# KiCad board OEM_ECU.kicad_pcb (continued)
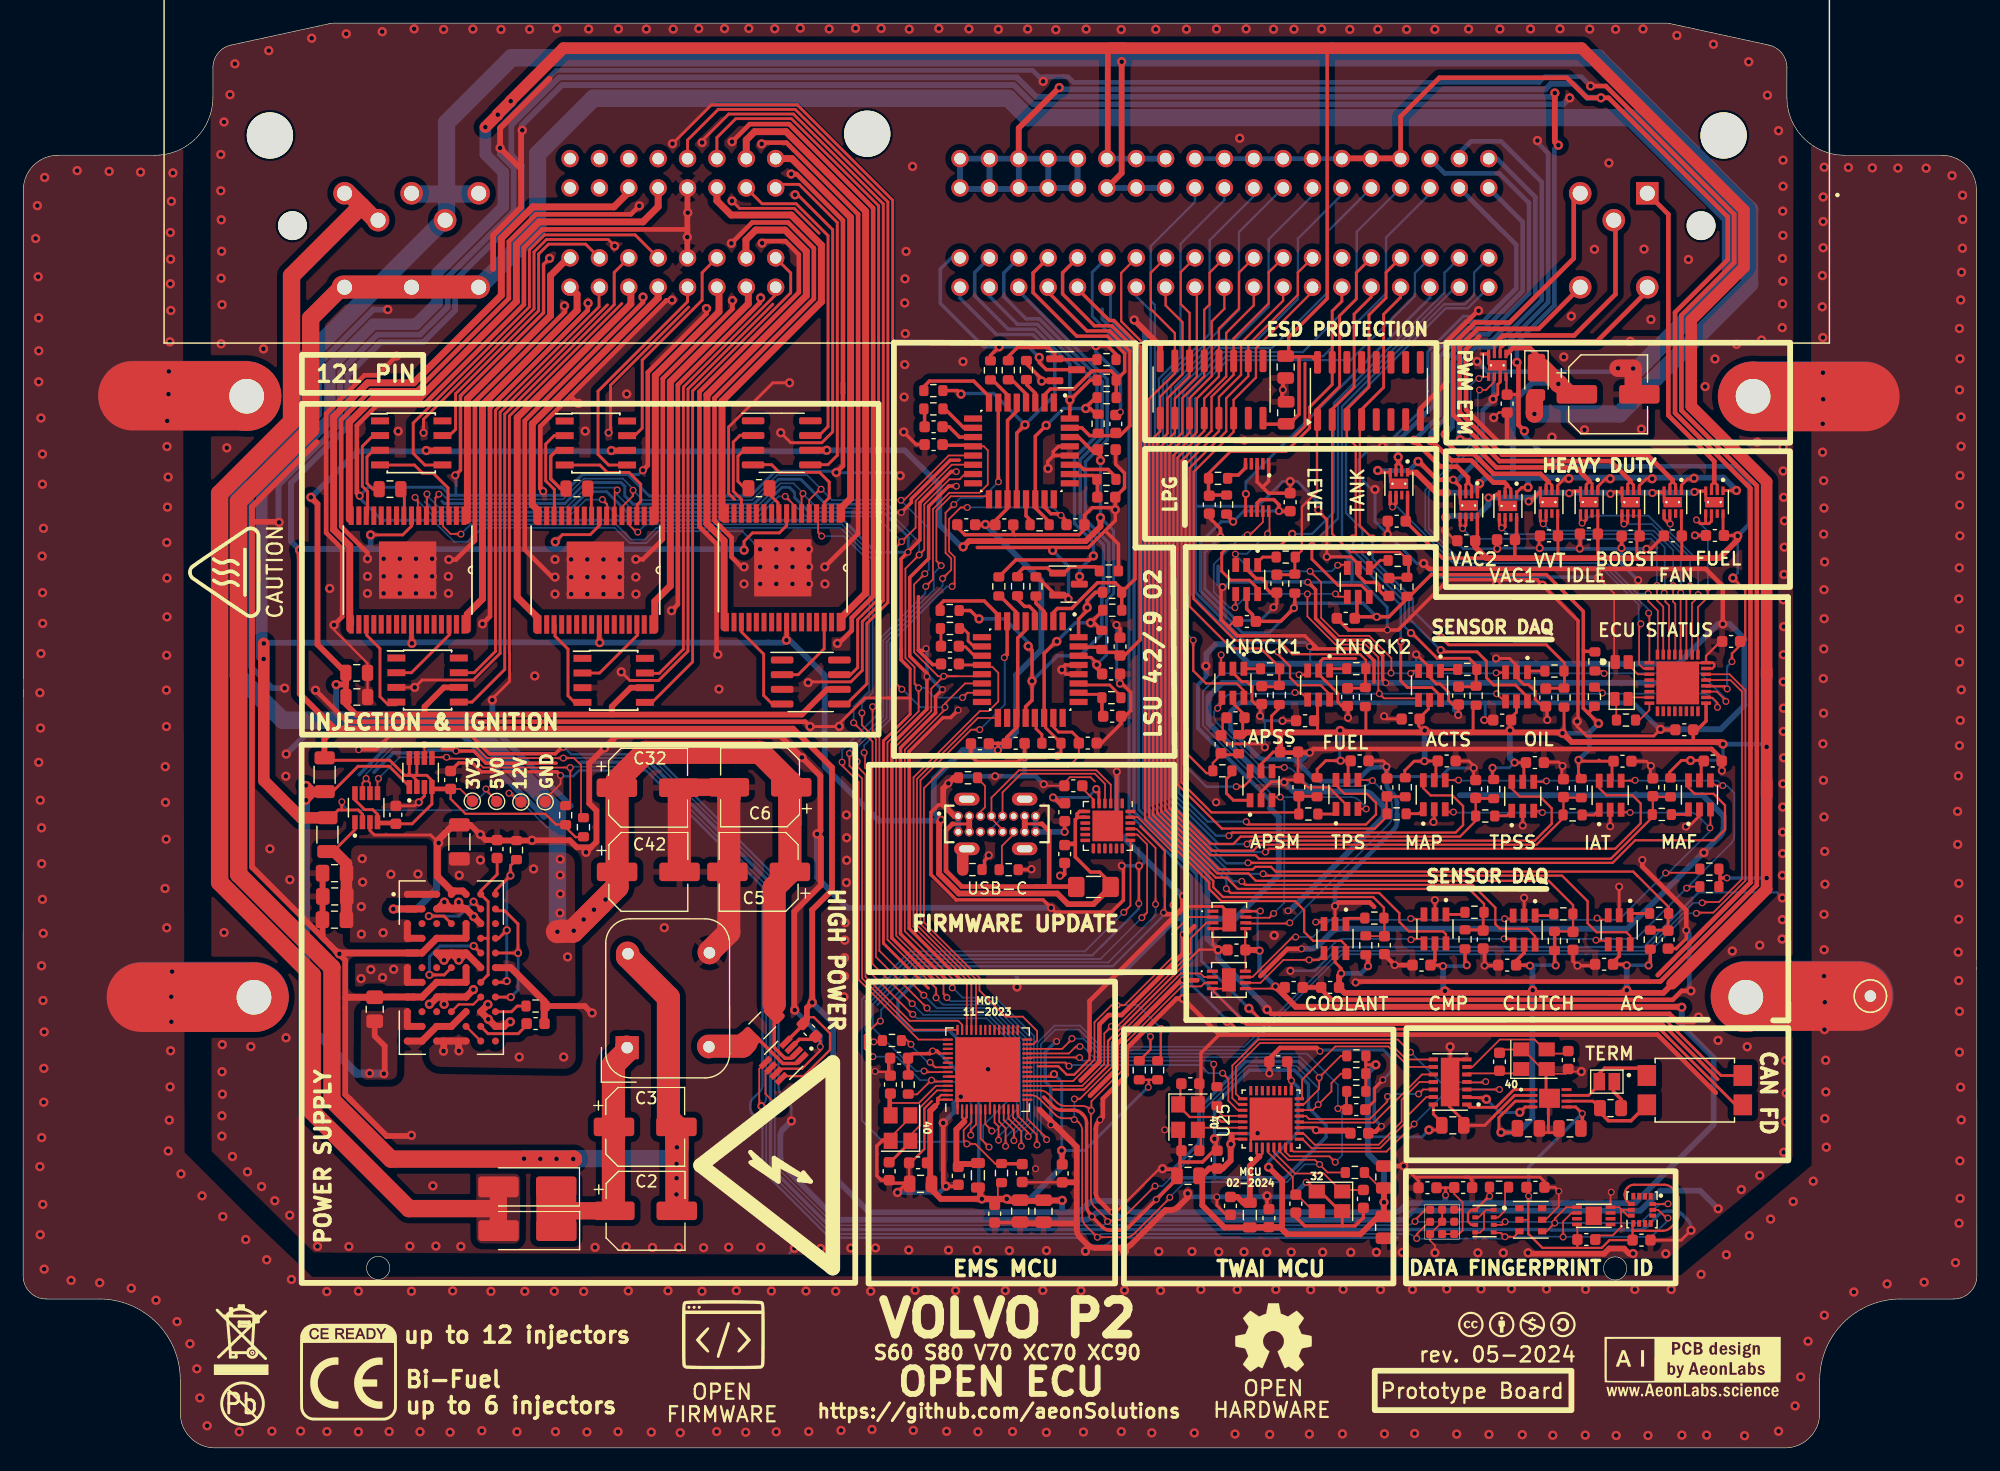
[diagram p0: board, top side]
## Library data of the parts
AC_C1 AC_C2 ACPM_C1 ACPM_C2 ACPM_C4 ACPM_C5 ACPS_C3 ACPS_C4 ACTS_C1 ACTS_C2 AUC1 C3_C1 C3_C2 C3_P32_C2 C3P2_C1 C3P2_C2 C3P7_C1 C3P11_C1 C3P17_C1 C3P32_C1 C3XTAL32_C1-C3XTAL32_C4 C3XTAL40_C1 C3XTAL40_C2 CHC1-CHC3 CJC1-CJC16 CLU_C3 CLU_C4 COOL_C1 COOL_C2 CRA_C3 CRA_C4 ENS_C1-ENS_C4 ETMDRV_C1-ETMDRV_C9 FUEL_C1-FUEL_C4 FUEL_LPG_C1 FUEL_LPG_C2 IAT_C1 IAT_C2 INA1_C1 INA1_C2 INA1_C4 INA1_C5 INA1_C13 KNOCK1_C1 KNOCK1_C2 KNOCK2_C1 KNOCK2_C2 LTM_C1-LTM_C7 MAF_C3 MAF_C4 MAP_C1 MAP_C2 S3_VDD3_C1 S3_VDD3_C3 S3_XTAL40_C1 S3_XTAL40_C2 S3P2_C1 S3P2_C2 S3P4_C1 S3P20_C1 S3P46_C1 S3P55_C1 S3P55_C2 SP_C1 SP_C2 TPS_C3 TPS_C4 TPSS_C3 TPSS_C4 = -: ki_fp_filters: C_*
AC_R1 AC_R2 ACPM_R1 ACPM_R2 ACPS_R3 ACPS_R4 ACTS_R1 ACTS_R2 BMPR1 C3P6_R1 C3P7_R1 C3P14_R1 C3P15_R1 C3P28_R1 CJR1-CJR22 CLU_R3 CLU_R4 COOL_R1 COOL_R2 CRA_R3 CRA_R4 ER1 ER2 ER4 FUEL_LPG_R1 FUEL_LPG_R2 FUEL_R1-FUEL_R4 I2C_SCL_R1-I2C_SCL_R4 I2C_SDA_R1-I2C_SDA_R4 IAT_R1 IAT_R2 KNOCK1_R1 KNOCK1_R2 KNOCK2_R1 KNOCK2_R2 MAF_R3 MAF_R4 MAP_R1 MAP_R2 MPR7 MPR8 RGB_R1 S3P4_R1 S3P49_R1 S3P52_R1 TPS_R3 TPS_R4 TPSS_R3 TPSS_R4 USB_PLUG_R3 USB_PLUG_R4 USB_PLYG_R2 = -: ki_fp_filters: R_*
AC_SENSE1 ACC_PEDAL_M_SENSE1 ACC_PEDAL_S_SENSE2 CLUTCH_SENSE1 COOLANT_SENSE1 CRANK_SENSE1 FUEL_SENSE2 IAT_SENSE1 MAF_SENSE1 MAP_SENSE1 TPS_SENSE1 TPSS_SENSE1 = -: Description: 16-Bit, 128SPS, 1-Ch Delta-Sigma ADC w/ PGA, Oscillator & I2C; Availability: In Stock; Check_prices: https://www.snapeda.com/parts/ADS1100A0IDBVR/Texas+Instruments/view-part/?ref=eda; MF: Texas Instruments; Package: SOT-23-6 Texas Instruments; Price: None; Purchase-URL: https://www.snapeda.com/api/url_track_click_mouser/?unipart_id=39898&manufacturer=Texas Instruments&part_name=ADS1100A0IDBVR&search_term=None; SnapEDA_Link: https://www.snapeda.com/parts/ADS1100A0IDBVR/Texas+Instruments/view-part/?ref=snap
ACTS_SENSE1 FUEL_SENSE1 KNOCK1_SENSE1 KNOCK2_SENSE1 = -: Description: 16-Bit, 128SPS, 1-Ch Delta-Sigma ADC w/ PGA, Oscillator & I2C; MF: Texas Instruments; Package: SOT-23-6 Texas Instruments; Price: None; SnapEDA_Link: https://www.snapeda.com/parts/ADS1100A0IDBVR/Texas+Instruments/view-part/?ref=snap; Purchase-URL: https://www.snapeda.com/api/url_track_click_mouser/?unipart_id=39898&manufacturer=Texas Instruments&part_name=ADS1100A0IDBVR&search_term=None; Availability: In Stock; Check_prices: https://www.snapeda.com/parts/ADS1100A0IDBVR/Texas+Instruments/view-part/?ref=eda
bogus1 = -: ki_fp_filters: Connector*:*_1x??_*
C1 = -: Digikey Part Number: P124821CT-ND; Manufacturer_Name: Panasonic; Manufacturer_Part_Number: EEE-FT1V101AV; URL: https://www.digikey.com.au/product-detail/en/panasonic-electronic-components/EEE-FT1V101AV/P124821CT-ND/10290763; ki_fp_filters: CP_*
C2 C3 C5 C6 C32 C42 = -: Digikey Part Number: PCE3925CT-ND; Manufacturer_Name: Panasonic; Manufacturer_Part_Number: EEE-1HA330XP; URL: https://www.digikey.com.au/product-detail/en/panasonic-electronic-components/EEE-1HA330XP/PCE3925CT-ND/766301; Voltage: 50V; ki_fp_filters: CP_*
C3_P2_L1 HLL1 S3P2_L1 = -: ki_fp_filters: Choke_* *Coil* Inductor_* L_*
C3XTAL32_1 C3XTAL32_2 C3XTAL40_1 S3_XTAL40_1 = -: ki_fp_filters: Crystal*
C4 C7 C8 C16 = -: Digikey Part Number: 311-1140-1-ND; Manufacturer_Name: Yageo; Manufacturer_Part_Number: CC0805KRX7R9BB104; URL: https://www.digikey.com.au/product-detail/en/yageo/CC0805KRX7R9BB104/311-1140-1-ND/303050; ki_fp_filters: C_*
C10 = -: Digikey Part Number: 311-1365-1-ND; Manufacturer_Name: Yageo; Manufacturer_Part_Number: CC0805KKX7R7BB105; URL: https://www.digikey.com/product-detail/en/yageo/CC0805KKX7R7BB105/311-1365-1-ND/2103149; ki_fp_filters: C_*
CJQ1 CJQ2 = -: Datasheet: http://www.aosmd.com/pdfs/datasheet/AO3400A.pdf; ki_fp_filters: SOT?23*
D1 D11 = -: Digikey Part Number: B360A-FDICT-ND; Manufacturer_Name: Diodes Inc; Manufacturer_Part_Number: B360A-13-F; URL: https://www.digikey.com.au/product-detail/en/diodes-incorporated/B360A-13-F/B360A-FDICT-ND/724980; ki_fp_filters: TO-???* *_Diode_* *SingleDiode* D_*
D4 = -: Digikey Part Number: DFLS2100-7DICT-ND; Manufacturer_Name: Diodes Inc.; Manufacturer_Part_Number: DFLS2100-7; URL: https://www.digikey.com/product-detail/en/diodes-incorporated/DFLS2100-7/DFLS2100-7DICT-ND/3451552; ki_fp_filters: TO-???* *_Diode_* *SingleDiode* D_*
FL1 = -: MF: TDK; Description_1: 2 Line Common Mode Choke Surface Mount 200 Ohms @ 100 MHz 2A DCR 120mOhm; Package: Horizontal-4 TDK; Price: None; Check_prices: https://www.snapeda.com/parts/ZJYS51R5-2PT-01/TDK/view-part/?ref=eda; STANDARD: Manufacturer Recommendations; SnapEDA_Link: https://www.snapeda.com/parts/ZJYS51R5-2PT-01/TDK/view-part/?ref=snap; MP: ZJYS51R5-2PT-01; Availability: In Stock; MANUFACTURER: TDK CORPORATION
IMU2 = -: Datasheet: www.st.com/resource/en/datasheet/lsm6ds3.pdf; ki_fp_filters: LGA*3x2.5mm*P0.5mm*LayoutBorder3x4y*
INA1 INA4 INA5 = -: Description: 26V, 12-bit, i2c output current/voltage/power monitor; Availability: In Stock; Check_prices: https://www.snapeda.com/parts/INA219AIDCNR/Texas+Instruments/view-part/?ref=eda; MF: Texas Instruments; Package: SOT-23-8 Texas Instruments; Price: None; Purchase-URL: https://www.snapeda.com/api/url_track_click_mouser/?unipart_id=271718&manufacturer=Texas Instruments&part_name=INA219AIDCNR&search_term=None; SnapEDA_Link: https://www.snapeda.com/parts/INA219AIDCNR/Texas+Instruments/view-part/?ref=snap
J3 = -: Description: USB 2.0 Connector Type C Vertical Receptacle, 6.50mm profile, 16 Pins, Surface mount, Top mount, low profile, low cost; Availability: In Stock; Check_prices: https://www.snapeda.com/parts/USB4120-03-C/Global+Connector+Technology/view-part/?ref=eda; MANUFACTURER: GCT; MAXIMUM_PACKAGE_HEIGHT: 6.5mm; MF: Global Connector Technology; MP: USB4120-03-C; PARTREV: A; Package: None; Price: None; STANDARD: Manufacturer Recommendations; SnapEDA_Link: https://www.snapeda.com/parts/USB4120-03-C/Global+Connector+Technology/view-part/?ref=snap
JP4 = -: ki_fp_filters: SolderJumper*Open* Jumper* TestPoint*2Pads* TestPoint*Bridge*
KTS1 = -: Description: ARM Microcontrollers - MCU CORTEX M0+32K FLASH; MANUFACTURER_PART_NUMBER: MKL02Z32VFM4; RS_PRICE-STOCK: http://uk.rs-online.com/web/p/products/7884732; RS_PART_NUMBER: 7884732; MOUSER_PART_NUMBER: 841-MKL02Z32VFM4; MOUSER_PRICE-STOCK: https://www.mouser.com/Search/Refine.aspx?Keyword=841-MKL02Z32VFM4; HEIGHT: 1mm
LED2 = -: ki_fp_filters: LED* LED_SMD:* LED_THT:*
PWR_FUSE1 = -: ki_fp_filters: *polyfuse* *PTC*
R1 R5 R6 = -: Digikey Part Number: 311-10KARCT-ND; Manufacturer_Name: Yageo; Manufacturer_Part_Number: RC0805JR-0710KL; URL: https://www.digikey.com/product-detail/en/yageo/RC0805JR-0710KL/311-10KARCT-ND/731188; ki_fp_filters: R_*
R2 = -: Manufacturer_Name: Yageo; Manufacturer_Part_Number: RC0805FR-07120RL; URL: https://www.digikey.com/products/en?keywords=311-120CRCT-ND; Digikey Part Number: 311-120CRCT-ND; ki_fp_filters: R_*
SP1 SP2 = -: Datasheet: https://m.littelfuse.com/~/media/electronics/datasheets/tvs_diode_arrays/littelfuse_tvs_diode_array_sp720_datasheet.pdf.pdf; Digikey Part Number: F3162CT-ND; Manufacturer_Name: Littelfuse; Manufacturer_Part_Number: SP720ABTG; URL: https://www.digikey.com/product-detail/en/littelfuse-inc/SP720ABTG/F3162CT-ND/1984458; ki_fp_filters: DIP*W7.62mm* SOIC*3.9x9.9mm*P1.27mm* SSOP*4.4x5.2mm*P0.65mm* TSSOP*4.4x5mm*P0.65mm* SOIC*W*5.3x10.2mm*P1.27mm*
TP1-TP4 = -: ki_fp_filters: Pin* Test*
U1 = -: MF: Microchip; Description_1: CANbus Controller CAN 2.0 SPI Interface 14-VDFN (4.5x3); Package: VDFN-14 Microchip Technology; Price: None; Check_prices: https://www.snapeda.com/parts/MCP2517FD-H/JHA/Microchip/view-part/?ref=eda; SnapEDA_Link: https://www.snapeda.com/parts/MCP2517FD-H/JHA/Microchip/view-part/?ref=snap; MP: MCP2517FD-H/JHA; Availability: In Stock; Manufacturer: Microchip
U2 = -: Description: ADS1115 - 16 Bit 3.3k Samples per Second Analog to Digital Converter (ADC) Evaluation Board; MF: Texas Instruments; Package: VSSOP-10 Texas Instruments; Price: None; SnapEDA_Link: https://www.snapeda.com/parts/ADS1115/Texas+Instruments/view-part/?ref=snap; Availability: Not in stock; Check_prices: https://www.snapeda.com/parts/ADS1115/Texas+Instruments/view-part/?ref=eda
U3 U4 U7 U8 U17 U22 = -: Digikey Part Number: TC4424AVOA-ND; Manufacturer_Name: Microchip; Manufacturer_Part_Number: TC4424AVOA; URL: https://www.digikey.com/product-detail/en/microchip-technology/TC4424AVOA/TC4424AVOA-ND/1098908
U5 U6 U18 = -: Manufacturer_Name: NXP; Manufacturer_Part_Number: MCZ33810EK; URL: https://au.mouser.com/ProductDetail/NXP-Semiconductors/MCZ33810EK?qs=sGAEpiMZZMvKM5ialpXrmvfCXFdxx390
U9 = -: Description: Pressure Sensor 4.35PSI ~ 15.95PSI (30kPa ~ 110kPa) Absolute - 16b 8-SMD; Availability: In Stock; Check_prices: https://www.snapeda.com/parts/BMP280/Bosch+Sensortec/view-part/?ref=eda; MANUFACTURER: Bosch; MF: Bosch; PART_REV: 1.19; Package: SMD-8 Bosch Sensortec; Price: None; Purchase-URL: https://pricing.snapeda.com/search?q=BMP280&ref=eda; STANDARD: MANUFACTURER RECOMMENDATIONS; SnapEDA_Link: https://www.snapeda.com/parts/BMP280/Bosch+Sensortec/view-part/?ref=snap
U10 U11 = -: ki_fp_filters: DRG8_2X1P2
U12 U28 = -: Description: LAMBDA PROBE INTERFACE IC; Availability: Not in stock; Check_prices: https://www.snapeda.com/parts/CJ125/Bosch/view-part/?ref=eda; MF: Bosch; MP: CJ125; Package: None; Price: None; SnapEDA_Link: https://www.snapeda.com/parts/CJ125/Bosch/view-part/?ref=snap
U13 U14 U19 U20 U26 U27 = -: Description: 12-V, 1.8-A H-bridge motor driver; Availability: In Stock; Check_prices: https://www.snapeda.com/parts/DRV8837DSGR/Texas+Instruments/view-part/?ref=eda; MF: Texas Instruments; MP: DRV8837DSGR; Package: WSON-8 Texas Instruments; Price: None; Purchase-URL: https://www.snapeda.com/api/url_track_click_mouser/?unipart_id=230051&manufacturer=Texas Instruments&part_name=DRV8837DSGR&search_term=None; SnapEDA_Link: https://www.snapeda.com/parts/DRV8837DSGR/Texas+Instruments/view-part/?ref=snap
U16 = -: MANUFACTURER: Microchip; PART_REV: A; STANDARD: Manufacturer recommendation
U21 = -: MANUFACTURER: Asair; MAXIMUM_PACKAGE_HEIGHT: 1.1mm; PARTREV: V1.0; STANDARD: IPC 7351B
U23 U30 U32 = -: Description: 12-V, 1.8-A H-bridge motor driver; MF: Texas Instruments; Package: WSON-8 Texas Instruments; Price: None; SnapEDA_Link: https://www.snapeda.com/parts/DRV8837DSGR/Texas+Instruments/view-part/?ref=snap; MP: DRV8837DSGR; Purchase-URL: https://www.snapeda.com/api/url_track_click_mouser/?unipart_id=230051&manufacturer=Texas Instruments&part_name=DRV8837DSGR&search_term=None; Availability: In Stock; Check_prices: https://www.snapeda.com/parts/DRV8837DSGR/Texas+Instruments/view-part/?ref=eda
U24 = -: MF: Analog Devices; MAXIMUM_PACKAGE_HEIGHT: 5.21 mm; Package: BBGA-77 Analog Devices; Price: None; Check_prices: https://www.snapeda.com/parts/LTM4644EY%23PBF/Analog+Devices/view-part/?ref=eda; STANDARD: IPC 7351B; PARTREV: G; SnapEDA_Link: https://www.snapeda.com/parts/LTM4644EY%23PBF/Analog+Devices/view-part/?ref=snap; MP: LTM4644EY#PBF; Description_1: Non-Isolated PoL Module DC DC Converter 4 Output 0.6 ~ 5.5V 0.6 ~ 5.5V 0.6 ~ 5.5V 0.6 ~ 5.5V 4A, 4A, 4A, 4A 4V - 14V Input; Availability: Not in stock; MANUFACTURER: Analog Devices
U25 = -: Description: WiFi Modules (802.11) (Engineering Samples Only) SMD IC ESP32-C3, RISC-V single-core MCU, 2.4G Wi-Fi & BLE 5.0 combo, QFN 32-pin, 5*5 mm, 40 ~ 105C; Availability: In Stock; Check_prices: https://www.snapeda.com/parts/ESP32-C3/Espressif+Systems/view-part/?ref=eda; MF: Espressif Systems; MP: ESP32-C3; Package: VFQFN-32 Espressif Systems; Price: None; Purchase-URL: https://www.snapeda.com/api/url_track_click_mouser/?unipart_id=5833677&manufacturer=Espressif Systems&part_name=ESP32-C3&search_term=None; SnapEDA_Link: https://www.snapeda.com/parts/ESP32-C3/Espressif+Systems/view-part/?ref=snap; Description_1: WiFi Modules (802.11) (Engineering Samples Only) SMD IC ESP32-C3, RISC-V single-core MCU, 2.4G Wi-Fi & BLE 5.0 combo, QFN 32-pin, 5*5 mm, 40 ~ 105C
U31 = -: ki_fp_filters: TDFN8_MNY_MCH TDFN8_MNY_MCH-M TDFN8_MNY_MCH-L

## Footprints (pads in the part's own frame, mm; a bottom-side part is the same pattern mirrored in y, then rotated)
121 pin ECU connector header
  round 4 hole 4 unplated: (-62.85,0) (11.2,-0.15) (62.85,0)
  round 2.5 hole 2.5 unplated: (-60.9,7.8) (60.9,7.8)
  rect 1.95x1.95 hole 1.3: 1(-56.25,5)
  round 1.95 hole 1.3: 2(-50.45,5) 3(-53.35,7.33) 4(-56.25,13.13) 5(-50.45,13.13) 114(44.8,5) 115(50.6,5) 116(56.4,5) 117(47.7,7.33) 118(53.5,7.33) 119(44.8,13.13) 120(50.6,13.13) 121(56.4,13.13)
  round 1.508 hole 1: 6(3.18,13.13) 7(0.64,13.13) 8(-1.9,13.13) 9(-4.44,13.13) 10(-6.98,13.13) 11(-9.52,13.13) 12(-12.06,13.13) 13(-14.6,13.13) 14(-17.14,13.13) 15(-19.68,13.13) 16(-22.22,13.13) 17(-24.76,13.13) 18(-27.3,13.13) 19(-29.84,13.13) 20(-32.38,13.13) 21(-34.92,13.13) 22(-37.46,13.13) 23(-40,13.13) 24(-42.54,13.13) 25(3.18,10.59) 26(0.64,10.59) 27(-1.9,10.59) 28(-4.44,10.59) 29(-6.98,10.59) 30(-9.52,10.59) 31(-12.06,10.59) 32(-14.6,10.59) 33(-17.14,10.59) 34(-19.68,10.59) 35(-22.22,10.59) 36(-24.76,10.59) 37(-27.3,10.59) 38(-29.84,10.59) 39(-32.38,10.59) 40(-34.92,10.59) 41(-37.46,10.59) 42(-40,10.59) 43(-42.54,10.59) 44(3.18,4.54) 45(0.64,4.54) 46(-1.9,4.54) 47(-4.44,4.54) 48(-6.98,4.54) 49(-9.52,4.54) 50(-12.06,4.54) 51(-14.6,4.54) 52(-17.14,4.54) 53(-19.68,4.54) 54(-22.22,4.54) 55(-24.76,4.54) 56(-27.3,4.54) 57(-29.84,4.54) 58(-32.38,4.54) 59(-34.92,4.54) 60(-37.46,4.54) 61(-40,4.54) 62(-42.54,4.54) 63(3.18,2) 64(0.64,2) 65(-1.9,2) 66(-4.44,2) 67(-6.98,2) 68(-9.52,2) 69(-12.06,2) 70(-14.6,2) 71(-17.14,2) 72(-19.68,2) 73(-22.22,2) 74(-24.76,2) 75(-27.3,2) 76(-29.84,2) 77(-32.38,2) 78(-34.92,2) 79(-37.46,2) 80(-40,2) 81(-42.54,2) 82(19.12,2) 83(21.66,2) 84(24.2,2) 85(26.74,2) 86(29.28,2) 87(31.82,2) 88(34.36,2) 89(36.9,2) 90(19.12,4.54) 91(21.66,4.54) 92(24.2,4.54) 93(26.74,4.54) 94(29.28,4.54) 95(31.82,4.54) 96(34.36,4.54) 97(36.9,4.54) 98(19.12,10.59) 99(21.66,10.59) 100(24.2,10.59) 101(26.74,10.59) 102(29.28,10.59) 103(31.82,10.59) 104(34.36,10.59) 105(36.9,10.59) 106(19.12,13.13) 107(21.66,13.13) 108(24.2,13.13) 109(26.74,13.13) 110(29.28,13.13) 111(31.82,13.13) 112(34.36,13.13) 113(36.9,13.13)
ADS1100 16-bit ADC SOT95P280X145-6N
  rrect 1.21x0.58 smd: 1(-1.255,0.95) 2(-1.255,0) 3(-1.255,-0.95) 4(1.255,-0.95) 5(1.255,0) 6(1.255,0.95)
AHT20 PSON100P300X300X110-6N
  rrect 0.71x0.53 smd: 1(-0.985,1) 2(-0.985,0) 3(-0.985,-1) 4(0.985,-1) 5(0.985,0) 6(0.985,1)
ASD1155
  rect 0.3x1 smd: 1(-1,-2.05) 2(-0.5,-2.05) 3(0,-2.05) 4(0.5,-2.05) 5(1,-2.05) 6(1,2.05) 7(0.5,2.05) 8(0,2.05) 9(-0.5,2.05) 10(-1,2.05)
ATSHA204A-MAHDA-T UDFN-8
  rect 0.85x0.3 smd: 1(-1.45,0.75) 2(-1.45,0.25) 3(-1.45,-0.25) 4(-1.45,-0.75) 5(1.45,-0.75) 6(1.45,-0.25) 7(1.45,0.25) 8(1.45,0.75)
  rect 1.4x1.6 smd: 9(0,0)
C_0603_1608Metric
  rrect 0.9x0.95 smd: 1(-0.775,0) 2(0.775,0)
C_0805_2012Metric
  rrect 0.975x1.4 smd: 1(-0.938,0) 2(0.938,0)
C_0805_2012Metric#2
  rrect 1x1.45 smd: 1(-0.95,0) 2(0.95,0)
C_0805_2012Metric_Pad1.18x1.45mm_HandSolder
  rrect 1.175x1.45 smd: 1(-1.038,0) 2(1.038,0)
C_1206_3216Metric
  rrect 1.15x1.8 smd: 1(-1.475,0) 2(1.475,0)
CH9102F
  rrect 1.07x1.07 smd: (-0.66,0.66) (-0.66,-0.66) (0.66,0.66) (0.66,-0.66)
  rect 2.65x2.65 smd: 0(0,0)
  rrect 0.85x0.3 smd: 1(-1.95,1.25) 2(-1.95,0.75) 3(-1.95,0.25) 4(-1.95,-0.25) 5(-1.95,-0.75) 6(-1.95,-1.25) 13(1.95,-1.25) 14(1.95,-0.75) 15(1.95,-0.25) 16(1.95,0.25) 17(1.95,0.75) 18(1.95,1.25)
  rrect 0.3x0.85 smd: 7(-1.25,-1.95) 8(-0.75,-1.95) 9(-0.25,-1.95) 10(0.25,-1.95) 11(0.75,-1.95) 12(1.25,-1.95) 19(1.25,1.95) 20(0.75,1.95) 21(0.25,1.95) 22(-0.25,1.95) 23(-0.75,1.95) 24(-1.25,1.95)
CJ125 QFN32
  rrect 1.56x0.54 smd: 1(-4.18,2.8) 2(-4.18,2) 3(-4.18,1.2) 4(-4.18,0.4) 5(-4.18,-0.4) 6(-4.18,-1.2) 7(-4.18,-2) 8(-4.18,-2.8) 17(4.18,-2.8) 18(4.18,-2) 19(4.18,-1.2) 20(4.18,-0.4) 21(4.18,0.4) 22(4.18,1.2) 23(4.18,2) 24(4.18,2.8)
  rrect 0.54x1.56 smd: 9(-2.8,-4.18) 10(-2,-4.18) 11(-1.2,-4.18) 12(-0.4,-4.18) 13(0.4,-4.18) 14(1.2,-4.18) 15(2,-4.18) 16(2.8,-4.18) 25(2.8,4.18) 26(2,4.18) 27(1.2,4.18) 28(0.4,4.18) 29(-0.4,4.18) 30(-1.2,4.18) 31(-2,4.18) 32(-2.8,4.18)
Common Mode Inductor SQ1010 8x5mm
  rect 2x2 hole 1: 1(-3.81,2.678)
  round 2 hole 1: 2(-3.737,-4.39) 3(4.318,2.607) 4(4.396,-4.44)
CP_Elec_6.3x7.7
  rrect 3.5x1.6 smd: 1(-2.7,0) 2(2.7,0)
Crystal_SMD_3225-4Pin_3.2x2.5mm
  rect 1.4x1.2 smd: 1(-1.1,-0.85) 2(1.1,-0.85) 3(1.1,0.85) 4(-1.1,0.85)
D_PowerDI-123
  rrect 2.4x1.5 smd: 1(-0.85,0)
  rrect 1.05x1.5 smd: 2(1.525,0)
D_SMA_Handsoldering
  rrect 3.5x1.8 smd: 1(-2.5,0) 2(2.5,0)
DRV8220DSGR H Bridge Driver 2A 12V
  rrect 0.74x0.28 smd: 1(-0.985,0.75) 2(-0.985,0.25) 3(-0.985,-0.25) 4(-0.985,-0.75) 5(0.985,-0.75) 6(0.985,-0.25) 7(0.985,0.25) 8(0.985,0.75)
  rect 0.9x1.6 smd: 9(0,0)
  round 0.4 hole 0.2: 9_1(0,0.55) 9_2(0,-0.55)
ENS160 Gas Semsor
  rrect 0.7x0.7 smd: 1(-1.01,1.06) 2(-1.01,0.01) 3(-1.01,-1.05) 4(0.03,-1.04) 5(1.08,-1.04) 6(1.08,0.02) 7(1.08,1.07) 8(0.03,1.07) 9(0.03,0.02)
ESP32 C3
  rrect 0.81x0.27 smd: 1(-2.45,1.75) 2(-2.45,1.25) 3(-2.45,0.75) 4(-2.45,0.25) 5(-2.45,-0.25) 6(-2.45,-0.75) 7(-2.45,-1.25) 8(-2.45,-1.75) 17(2.45,-1.75) 18(2.45,-1.25) 19(2.45,-0.75) 20(2.45,-0.25) 21(2.45,0.25) 22(2.45,0.75) 23(2.45,1.25) 24(2.45,1.75)
  rrect 0.27x0.81 smd: 9(-1.75,-2.45) 10(-1.25,-2.45) 11(-0.75,-2.45) 12(-0.25,-2.45) 13(0.25,-2.45) 14(0.75,-2.45) 15(1.25,-2.45) 16(1.75,-2.45) 25(1.75,2.45) 26(1.25,2.45) 27(0.75,2.45) 28(0.25,2.45) 29(-0.25,2.45) 30(-0.75,2.45) 31(-1.25,2.45) 32(-1.75,2.45)
  rect 3.7x3.7 smd: 33(0,0)
Fuse_1206_3216Metric_Pad1.42x1.75mm_HandSolder
  rrect 1.425x1.75 smd: 1(-1.488,0) 2(1.488,0)
INA219AIDCNR SOT65P280X145-8N
  rrect 1.21x0.48 smd: 1(-1.255,0.975) 2(-1.255,0.325) 3(-1.255,-0.325) 4(-1.255,-0.975) 5(1.255,-0.975) 6(1.255,-0.325) 7(1.255,0.325) 8(1.255,0.975)
KTS1620 24bit IO Expander QFN32 5x5mm.lib
  rect 0.85x0.3 smd: 1(-2.45,1.75) 2(-2.45,1.25) 3(-2.45,0.75) 4(-2.45,0.25) 5(-2.45,-0.25) 6(-2.45,-0.75) 7(-2.45,-1.25) 8(-2.45,-1.75) 17(2.45,-1.75) 18(2.45,-1.25) 19(2.45,-0.75) 20(2.45,-0.25) 21(2.45,0.25) 22(2.45,0.75) 23(2.45,1.25) 24(2.45,1.75)
  rect 0.3x0.85 smd: 9(-1.75,-2.45) 10(-1.25,-2.45) 11(-0.75,-2.45) 12(-0.25,-2.45) 13(0.25,-2.45) 14(0.75,-2.45) 15(1.25,-2.45) 16(1.75,-2.45) 25(1.75,2.45) 26(1.25,2.45) 27(0.75,2.45) 28(0.25,2.45) 29(-0.25,2.45) 30(-0.75,2.45) 31(-1.25,2.45) 32(-1.75,2.45)
  rect 3.7x3.7 smd: 33(0,0)
L_0805_2012Metric
  rrect 0.875x1.2 smd: 1(-1.062,0) 2(1.062,0)
LED_1206_3210_RGB_Metric
  rrect 1.2x0.8 smd: 1(-1.36,-0.51) 2(1.82,-0.52) 3(-1.36,0.63) 4(1.83,0.6)
LSM6DS3 Motion Sensor PQFN50P300X250X86-14N
  rect 0.58x0.35 smd: 1(-1.175,0.75) 2(-1.175,0.25) 3(-1.175,-0.25) 4(-1.175,-0.75) 8(1.175,-0.75) 9(1.175,-0.25) 10(1.175,0.25) 11(1.175,0.75)
  rect 0.35x0.58 smd: 5(-0.5,-0.925) 6(0,-0.925) 7(0.5,-0.925) 12(0.5,0.925) 13(0,0.925) 14(-0.5,0.925)
LTM4644EY
  round 0.61 smd: A1(-3.81,6.35) A2(-2.54,6.35) A3(-1.27,6.35) A4(0,6.35) A5(1.27,6.35) A6(2.54,6.35) A7(3.81,6.35) B1(-3.81,5.08) B2(-2.54,5.08) B3(-1.27,5.08) B4(0,5.08) B5(1.27,5.08) B6(2.54,5.08) B7(3.81,5.08) C1(-3.81,3.81) C2(-2.54,3.81) C3(-1.27,3.81) C4(0,3.81) C5(1.27,3.81) C6(2.54,3.81) C7(3.81,3.81) D1(-3.81,2.54) D2(-2.54,2.54) D3(-1.27,2.54) D4(0,2.54) D5(1.27,2.54) D6(2.54,2.54) D7(3.81,2.54) E1(-3.81,1.27) E2(-2.54,1.27) E3(-1.27,1.27) E4(0,1.27) E5(1.27,1.27) E6(2.54,1.27) E7(3.81,1.27) F1(-3.81,0) F2(-2.54,0) F3(-1.27,0) F4(0,0) F5(1.27,0) F6(2.54,0) F7(3.81,0) G1(-3.81,-1.27) G2(-2.54,-1.27) G3(-1.27,-1.27) G4(0,-1.27) G5(1.27,-1.27) G6(2.54,-1.27) G7(3.81,-1.27) H1(-3.81,-2.54) H2(-2.54,-2.54) H3(-1.27,-2.54) H4(0,-2.54) H5(1.27,-2.54) H6(2.54,-2.54) H7(3.81,-2.54) J1(-3.81,-3.81) J2(-2.54,-3.81) J3(-1.27,-3.81) J4(0,-3.81) J5(1.27,-3.81) J6(2.54,-3.81) J7(3.81,-3.81) K1(-3.81,-5.08) K2(-2.54,-5.08) K3(-1.27,-5.08) K4(0,-5.08) K5(1.27,-5.08) K6(2.54,-5.08) K7(3.81,-5.08) L1(-3.81,-6.35) L2(-2.54,-6.35) L3(-1.27,-6.35) L4(0,-6.35) L5(1.27,-6.35) L6(2.54,-6.35) L7(3.81,-6.35)
mc33810 SOIC32-P0.65-33N
  rect 1.6x0.432 smd: 1(-4.699,4.877) 2(-4.699,4.216) 3(-4.699,3.581) 4(-4.699,2.921) 5(-4.699,2.286) 6(-4.699,1.626) 7(-4.699,0.965) 8(-4.699,0.33) 9(-4.699,-0.33) 10(-4.699,-0.965) 11(-4.699,-1.626) 12(-4.699,-2.286) 13(-4.699,-2.921) 14(-4.699,-3.581) 15(-4.699,-4.216) 16(-4.699,-4.877) 17(4.699,-4.877) 18(4.699,-4.216) 19(4.699,-3.581) 20(4.699,-2.921) 21(4.699,-2.286) 22(4.699,-1.626) 23(4.699,-0.965) 24(4.699,-0.33) 25(4.699,0.33) 26(4.699,0.965) 27(4.699,1.626) 28(4.699,2.286) 29(4.699,2.921) 30(4.699,3.581) 31(4.699,4.216) 32(4.699,4.877)
  rect 4.953x4.953 smd: 33(0,0)
MCP2517FD CAN Controller
  rrect 0.81x0.34 smd: 1(-1.45,1.95) 2(-1.45,1.3) 3(-1.45,0.65) 4(-1.45,0) 5(-1.45,-0.65) 6(-1.45,-1.3) 7(-1.45,-1.95) 8(1.45,-1.95) 9(1.45,-1.3) 10(1.45,-0.65) 11(1.45,0) 12(1.45,0.65) 13(1.45,1.3) 14(1.45,1.95)
  rect 1.6x4.2 smd: 15(0,0)
MCP2558FD CAN Transceiver
  rect 0.864x0.254 smd: 1(-1.473,0.75) 2(-1.473,0.25) 3(-1.473,-0.25) 4(-1.473,-0.75) 5(1.473,-0.75) 6(1.473,-0.25) 7(1.473,0.25) 8(1.473,0.75)
  rect 1.803x1.651 smd: 9(0,0)
OEM_ECU_housing
  round 6 hole 3: 1(-63.64,26.16) 1(-63.01,-25.83) 1(65.99,-25.83) 1(66.62,26.16)
PCA9515ADRGR
  rect 0.95x0.28 smd: 1(-1.425,0.75) 2(-1.425,0.25) 3(-1.425,-0.25) 4(-1.425,-0.75) 5(1.425,-0.75) 6(1.425,-0.25) 7(1.425,0.25) 8(1.425,0.75)
  rect 1.2x2 smd: 9(0,0)
QFN-56-1EP_7x7mm_P0.4mm_EP5.6x5.6mm
  rrect 1.13x1.13 smd: (-2.1,2.1) (-2.1,0.7) (-2.1,-0.7) (-2.1,-2.1) (-0.7,2.1) (-0.7,0.7) (-0.7,-0.7) (-0.7,-2.1) (0.7,2.1) (0.7,0.7) (0.7,-0.7) (0.7,-2.1) (2.1,2.1) (2.1,0.7) (2.1,-0.7) (2.1,-2.1)
  rrect 0.875x0.2 smd: 1(-3.438,2.6) 2(-3.438,2.2) 3(-3.438,1.8) 4(-3.438,1.4) 5(-3.438,1) 6(-3.438,0.6) 7(-3.438,0.2) 8(-3.438,-0.2) 9(-3.438,-0.6) 10(-3.438,-1) 11(-3.438,-1.4) 12(-3.438,-1.8) 13(-3.438,-2.2) 14(-3.438,-2.6) 29(3.438,-2.6) 30(3.438,-2.2) 31(3.438,-1.8) 32(3.438,-1.4) 33(3.438,-1) 34(3.438,-0.6) 35(3.438,-0.2) 36(3.438,0.2) 37(3.438,0.6) 38(3.438,1) 39(3.438,1.4) 40(3.438,1.8) 41(3.438,2.2) 42(3.438,2.6)
  rrect 0.2x0.875 smd: 15(-2.6,-3.438) 16(-2.2,-3.438) 17(-1.8,-3.438) 18(-1.4,-3.438) 19(-1,-3.438) 20(-0.6,-3.438) 21(-0.2,-3.438) 22(0.2,-3.438) 23(0.6,-3.438) 24(1,-3.438) 25(1.4,-3.438) 26(1.8,-3.438) 27(2.2,-3.438) 28(2.6,-3.438) 43(2.6,3.438) 44(2.2,3.438) 45(1.8,3.438) 46(1.4,3.438) 47(1,3.438) 48(0.6,3.438) 49(0.2,3.438) 50(-0.2,3.438) 51(-0.6,3.438) 52(-1,3.438) 53(-1.4,3.438) 54(-1.8,3.438) 55(-2.2,3.438) 56(-2.6,3.438)
  rect 5.6x5.6 smd: 57(0,0)
R_0603_1608Metric
  rrect 0.8x0.95 smd: 1(-0.825,0) 2(0.825,0)
R_0805_2012Metric
  rrect 0.975x1.4 smd: 1(-0.938,0) 2(0.938,0)
R_0805_2012Metric#2
  rrect 1.025x1.4 smd: 1(-0.912,0) 2(0.912,0)
R_1206_3216Metric
  rrect 1.125x1.75 smd: 1(-1.462,0) 2(1.462,0)
SOIC-8_3.9x4.9mm_P1.27mm
  rect 1.55x0.6 smd: 1(-2.7,1.905) 2(-2.7,0.635) 3(-2.7,-0.635) 4(-2.7,-1.905) 5(2.7,-1.905) 6(2.7,-0.635) 7(2.7,0.635) 8(2.7,1.905)
SOIC-8_3.9x4.9mm_P1.27mm#2
  rrect 1.95x0.6 smd: 1(-2.475,1.905) 2(-2.475,0.635) 3(-2.475,-0.635) 4(-2.475,-1.905) 5(2.475,-1.905) 6(2.475,-0.635) 7(2.475,0.635) 8(2.475,1.905)
SOIC-16_3.9x9.9mm_P1.27mm
  rrect 1.95x0.6 smd: 1(-2.475,4.445) 2(-2.475,3.175) 3(-2.475,1.905) 4(-2.475,0.635) 5(-2.475,-0.635) 6(-2.475,-1.905) 7(-2.475,-3.175) 8(-2.475,-4.445) 9(2.475,-4.445) 10(2.475,-3.175) 11(2.475,-1.905) 12(2.475,-0.635) 13(2.475,0.635) 14(2.475,1.905) 15(2.475,3.175) 16(2.475,4.445)
SolderJumper-2_P1.3mm_Open_Pad1.0x1.5mm
  rect 1x1.5 smd: 1(-0.65,0) 2(0.65,0)
SOT-23
  rrect 1.475x0.6 smd: 1(-0.938,0.95) 2(-0.938,-0.95) 3(0.938,0)
TDK ZJYS  CANBUS
  rect 1.6x1.8 smd: 1(-4.15,1.27) 2(-4.15,-1.27) 3(4.15,-1.27) 4(4.15,1.27)
TestPoint_Keystone_5000-5004_Miniature
  round 2 hole 1: 1(0,0)
TestPoint_Pad_D1.0mm
  round 1 smd: 1(0,0)
USB-C Vertical GCT_USB4120-03-C_REVA
  round 0.8 hole 0.5: A1(-3.35,0.68) A4(-2.39,0.68) A5(-1.43,0.68) A6(-0.47,0.68) A7(0.49,0.68) A8(1.45,0.68) A9(2.41,0.68) A12(3.35,0.68) B1(3.35,-0.68) B4(2.41,-0.68) B5(1.45,-0.68) B6(0.49,-0.68) B7(-0.47,-0.68) B8(-1.43,-0.68) B9(-2.39,-0.68) B12(-3.35,-0.68)
  oval 2.2x1.1 hole 1.35x0.6: S1(-2.6,2.15) S1(-2.6,-2.15) S1(2.4,2.15) S1(2.4,-2.15)
XDCR_BMP280
  rect 0.5x0.35 smd: 1(0.8,0.975) 2(0.8,0.325) 3(0.8,-0.325) 4(0.8,-0.975) 5(-0.8,-0.975) 6(-0.8,-0.325) 7(-0.8,0.325) 8(-0.8,0.975)

## Nets
3V3_PROBE_IN: ER1.2 INA5.1 LTM_C3.1 U24.J1 U24.K1 U24.K2
5V_PROBE_IN: ER2.1 INA4.1 LTM_C5.1 LTM_C6.1 LTM_C7.1 U24.A1 U24.A2 U24.A3 U24.C1 U24.D1 U24.D2 U24.F1 U24.G1 U24.G2
12V-BAT: D1.2 D11.2 U15.116 U15.118
12V_PROBE_IN: ER4.1 HLL1.2 INA1.1
+3.3V: CHC3.1 U29.5
+3V3: ACPM_C5.2 AUC1.2 BMPR1.2 C3_C1.1 C3_C2.1 C3_P2_L1.1 C3_P32_C2.2 C3P2_C2.1 C3P6_R1.1 C3P7_R1.1 C3P11_C1.1 C3P14_R1.1 C3P15_R1.1 C3P17_C1.1 C3P32_C1.2 C4.1 C8.1 ENS_C1.2 ENS_C2.2 ENS_C3.2 ENS_C4.2 ER1.1 ESP32S1.20 ESP32S1.46 ESP32S1.55 ESP32S1.56 ETMDRV_C1.1 ETMDRV_C2.1 ETMDRV_C3.1 ETMDRV_C4.1 ETMDRV_C5.1 ETMDRV_C6.1 ETMDRV_C7.1 ETMDRV_C8.1 ETMDRV_C9.1 I2C_SCL_R2.1 I2C_SCL_R3.1 I2C_SDA_R2.2 I2C_SDA_R3.2 IC_ENS1.4 IC_ENS1.5 IC_ENS1.7 IMU2.5 IMU2.8 INA1.4 INA1.8 INA1_C1.2 INA1_C2.2 INA1_C4.2 INA1_C5.2 INA1_C13.2 INA4.4 INA4.8 INA5.2 INA5.4 INA5.7 INA5.8 KTS1.28 S3_VDD3_C1.1 S3_VDD3_C3.1 S3P2_C1.1 S3P2_L1.1 S3P4_R1.1 S3P20_C1.1 S3P46_C1.1 S3P52_R1.1 S3P55_C1.2 S3P55_C2.2 TP1.1 U1.14 U5.8 U6.8 U9.6 U9.8 U10.5 U10.8 U11.5 U11.8 U13.8 U14.8 U16.8 U18.8 U19.8 U20.8 U21.2 U23.8 U25.11 U25.17 U25.31 U25.32 U26.8 U27.8 U30.8 U31.5 U32.8
+5V: AC_C2.2 AC_R1.2 AC_SENSE1.5 ACC_PEDAL_M_SENSE1.5 ACC_PEDAL_S_SENSE2.5 ACPM_C2.2 ACPM_C4.2 ACPM_R1.2 ACPS_C4.2 ACPS_R3.2 ACTS_C2.2 ACTS_R1.2 ACTS_SENSE1.5 C7.2 CHC1.1 CJC3.2 CJC4.2 CJC11.2 CJC12.2 CLU_C4.2 CLU_R3.2 CLUTCH_SENSE1.5 COOL_C2.2 COOL_R1.2 COOLANT_SENSE1.5 CRA_C4.2 CRA_R3.2 CRANK_SENSE1.5 ER2.2 FUEL_C2.2 FUEL_C4.2 FUEL_LPG_C2.2 FUEL_LPG_R1.2 FUEL_R1.2 FUEL_R3.2 FUEL_SENSE1.5 FUEL_SENSE2.5 I2C_SCL_R1.1 I2C_SCL_R4.1 I2C_SDA_R1.2 I2C_SDA_R4.2 IAT_C2.2 IAT_R1.2 IAT_SENSE1.5 INA4.2 KNOCK1_C2.2 KNOCK1_R2.2 KNOCK1_SENSE1.5 KNOCK2_C2.2 KNOCK2_R1.2 KNOCK2_SENSE1.5 KTS1.25 MAF_C4.2 MAF_R3.2 MAF_SENSE1.5 MAP_C2.2 MAP_R1.2 MAP_SENSE1.5 PWR_FUSE1.1 SP1.16 SP2.16 SP_C1.1 SP_C2.1 TP3.1 TPS_C4.2 TPS_R3.2 TPS_SENSE1.5 TPSS_C4.2 TPSS_R3.2 TPSS_SENSE1.5 U2.8 U5.25 U6.25 U12.5 U12.19 U15.68 U15.69 U15.70 U18.25 U28.5 U28.19 U29.7 U29.8 U31.3
+12V: C5.1 C6.1 C10.1 C16.1 C32.1 C42.1 CJC5.2 CJC13.2 D4.2 ER4.2 INA1.2 LTM_C1.2 TP4.1 U3.6 U4.6 U7.6 U8.6 U12.30 U15.49 U15.50 U15.51 U15.114 U15.115 U15.117 U17.6 U22.6 U24.B3 U24.B4 U24.B5 U24.C6 U24.E3 U24.E4 U24.E5 U24.F6 U24.H3 U24.H4 U24.H5 U24.J6 U24.K7 U24.L3 U24.L4 U24.L5 U28.30
GND: AC_C1.1 AC_C2.1 AC_SENSE1.2 ACC_PEDAL_M_SENSE1.2 ACC_PEDAL_S_SENSE2.2 ACPM_C1.1 ACPM_C2.1 ACPM_C4.1 ACPM_C5.1 ACPS_C3.1 ACPS_C4.1 ACTS_C1.1 ACTS_C2.1 ACTS_SENSE1.2 AUC1.1 C3_C1.2 C3_C2.2 C3_P32_C2.1 C3P2_C1.2 C3P2_C2.2 C3P7_C1.1 C3P11_C1.2 C3P17_C1.2 C3P32_C1.1 C3XTAL32_1.2 C3XTAL32_1.4 C3XTAL32_2.2 C3XTAL32_2.4 C3XTAL32_C1.2 C3XTAL32_C2.2 C3XTAL32_C3.2 C3XTAL32_C4.2 C3XTAL40_1.2 C3XTAL40_1.4 C3XTAL40_C1.2 C3XTAL40_C2.2 C4.2 C5.2 C6.2 C7.1 C8.2 C10.2 C16.2 C32.2 C42.2 CHC1.2 CHC2.1 CHC3.2 CJC1.1 CJC3.1 CJC4.1 CJC5.1 CJC6.1 CJC7.1 CJC8.1 CJC9.1 CJC11.1 CJC12.1 CJC13.1 CJC14.1 CJC15.1 CJC16.1 CJQ1.2 CJQ2.2 CJR2.1 CJR10.2 CJR18.1 CJR21.2 CLU_C3.1 CLU_C4.1 CLUTCH_SENSE1.2 COOL_C1.1 COOL_C2.1 COOLANT_SENSE1.2 CRA_C3.1 CRA_C4.1 CRANK_SENSE1.2 ENS_C1.1 ENS_C2.1 ENS_C3.1 ENS_C4.1 ESP32S1.1 ESP32S1.8 ESP32S1.51 ESP32S1.57 ETMDRV_C1.2 ETMDRV_C2.2 ETMDRV_C3.2 ETMDRV_C4.2 ETMDRV_C5.2 ETMDRV_C6.2 ETMDRV_C7.2 ETMDRV_C8.2 ETMDRV_C9.2 FUEL_C1.1 FUEL_C2.1 FUEL_C3.1 FUEL_C4.1 FUEL_LPG_C1.1 FUEL_LPG_C2.1 FUEL_SENSE1.2 FUEL_SENSE2.2 HLL1.4 IAT_C1.1 IAT_C2.1 IAT_SENSE1.2 IC_ENS1.3 IC_ENS1.8 IC_ENS1.9 IMU2.6 IMU2.7 INA1.3 INA1.7 INA1_C1.1 INA1_C2.1 INA1_C4.1 INA1_C5.1 INA1_C13.1 INA4.3 INA5.3 J3.A1 J3.A12 J3.B1 J3.B12 KNOCK1_C1.1 KNOCK1_C2.1 KNOCK1_SENSE1.2 KNOCK2_C1.1 KNOCK2_C2.1 KNOCK2_SENSE1.2 KTS1.31 KTS1.32 KTS1.33 LED2.4 LTM_C1.1 LTM_C2.1 LTM_C3.2 LTM_C4.1 LTM_C5.2 LTM_C6.2 LTM_C7.2 MAF_C3.1 MAF_C4.1 MAF_SENSE1.2 MAP_C1.1 MAP_C2.1 MAP_SENSE1.2 MPR7.2 MPR8.2 R1.2 R5.2 R6.2 S3_VDD3_C1.2 S3_VDD3_C3.2 S3_XTAL40_1.2 S3_XTAL40_1.4 S3_XTAL40_C1.2 S3_XTAL40_C2.2 S3P2_C1.2 S3P2_C2.2 S3P4_C1.1 S3P20_C1.2 S3P46_C1.2 S3P55_C1.1 S3P55_C2.1 SP1.8 SP2.8 SP_C1.2 SP_C2.2 TP2.1 TPS_C3.1 TPS_C4.1 TPS_SENSE1.2 TPSS_C3.1 TPSS_C4.1 TPSS_SENSE1.2 U1.7 U1.15 U2.1 U2.3 U3.3 U4.3 U5.33 U6.33 U7.3 U8.3 U9.1 U9.5 U9.7 U10.4 U10.9 U11.4 U11.9 U12.28 U12.29 U15.93 U15.101 U16.4 U17.3 U18.33 U21.5 U22.3 U24.A4 U24.A5 U24.B1 U24.B2 U24.C5 U24.D3 U24.D4 U24.D5 U24.E1 U24.E2 U24.F5 U24.F7 U24.G3 U24.G4 U24.G5 U24.H1 U24.H2 U24.J5 U24.K3 U24.K4 U24.L1 U24.L2 U25.1 U25.33 U28.28 U28.29 U29.0 U29.2 U31.2 U31.9 USB_PLUG_R3.2 USB_PLUG_R4.2 USB_PLYG_R2.2
GND1: bogus1.1 G***#5.1
GND-BAT: C1.2 C2.2 C3.2 HLL1.3 U13.4 U13.7 U13.9 U14.4 U14.9 U15.119 U15.120 U15.121 U19.4 U19.9 U20.4 U20.9 U23.4 U23.9 U26.4 U26.9 U27.4 U27.9 U30.4 U30.9 U32.4 U32.9
GNDA: U15.71 U15.72 U15.73 U15.74 U15.75 U15.76 U15.77 U15.78
VBAT: C1.1 D4.1 U13.1 U14.1 U19.1 U20.1 U23.1 U26.1 U27.1 U30.1 U32.1
1_SENSE+: FUEL_C3.2 FUEL_R3.1 FUEL_R4.1 SP2.4 U15.21
1_SENSE-: FUEL_SENSE1.6 U15.24
AC_SENSE+: AC_C1.2 AC_R1.1 AC_R2.1 SP1.10 U15.14
AC_SENSE-: AC_SENSE1.6 U15.53
ACC_PEDAL_M_SENSE+: ACPM_C1.2 ACPM_R1.1 ACPM_R2.1 SP1.13 U15.17
ACC_PEDAL_M_SENSE-: ACC_PEDAL_M_SENSE1.6 U15.59
ACC_PEDAL_S_SENSE+: ACPS_C3.2 ACPS_R3.1 ACPS_R4.1 SP1.2 U15.37
ACC_PEDAL_S_SENSE-: ACC_PEDAL_S_SENSE2.6 U15.60
ACTS_SENSE+: ACTS_C1.2 ACTS_R1.1 ACTS_R2.1 SP2.3 U15.40
ACTS_SENSE-: ACTS_SENSE1.6 U15.43
ADC1_CH4: C3XTAL32_1.3 C3XTAL32_C2.1 U25.4
ADC2_CH0: C3XTAL32_1.1 C3XTAL32_C1.1 U25.5
BOOST-OUT: U15.2 U20.2 U20.3
CAN_H: FL1.4 U15.11
CAN_L: FL1.3 U15.30
CAN_RXD: U1.2 U31.4
CAN_TXD: U1.1 U31.1
CHIP_EN: ESP32S1.4 S3P4_C1.2 S3P4_R1.2 U29.19
CJ125_2_CS: ESP32S1.42 U12.17
CJ125_CS: ESP32S1.39 U28.17
CJ125_UA: CJC7.2 ESP32S1.27 U28.23
CJ125_UA2: CJC15.2 ESP32S1.6 U12.23
CJ125_UR: CJC8.2 ESP32S1.40 U28.12
CJ125_UR2: CJC16.2 ESP32S1.43 U12.12
CLUTCH_SENSE+: CLU_C3.2 CLU_R3.1 CLU_R4.1 SP1.6 U15.33
CLUTCH_SENSE-: CLUTCH_SENSE1.6 U15.52
COOLANT_SENSE+: COOL_C1.2 COOL_R1.1 COOL_R2.1 SP1.7 U15.32
COOLANT_SENSE-: COOLANT_SENSE1.6 U15.31
CRANK_SENSE+: CRA_C3.2 CRA_R3.1 CRA_R4.1 SP1.9 U15.13
CRANK_SENSE-: CRANK_SENSE1.6 U15.12
DIAHD: CJR9.1 U28.6
DIAHD2: CJR22.1 U12.6
DIAHG: CJR11.2 U28.4
DIAHG2: CJR20.2 U12.4
ESP_GPIO0_BOOT-DTR: ESP32S1.5 ESP32S1.52 S3P52_R1.2 U29.23
ETM_IN1: KTS1.8 U13.6
ETM_IN2: KTS1.9 U13.5
ETM_PWM1: U13.2 U15.4
ETM_PWM2: U13.3 U15.3
FAN-OUT: U15.5 U19.2 U19.3
FUEL-PUMP-OUT: U14.2 U14.3 U15.1
FUEL_SENSE+: FUEL_C1.2 FUEL_R1.1 FUEL_R2.1 SP1.14 U15.18
FUEL_SENSE-: FUEL_SENSE2.6 U15.41
GPIO8_I2C_SDA_5V0: ACC_PEDAL_M_SENSE1.4 ACC_PEDAL_S_SENSE2.4 ACTS_SENSE1.4 FUEL_SENSE1.4 FUEL_SENSE2.4 I2C_SDA_R4.1 KNOCK1_SENSE1.4 KNOCK2_SENSE1.4 KTS1.26 TPS_SENSE1.4 U2.9 U10.6
GPIO9_I2C_SCL_5V0: ACC_PEDAL_M_SENSE1.3 ACC_PEDAL_S_SENSE2.3 ACTS_SENSE1.3 FUEL_SENSE1.3 FUEL_SENSE2.3 I2C_SCL_R4.2 KNOCK1_SENSE1.3 KNOCK2_SENSE1.3 KTS1.27 TPS_SENSE1.3 U2.10 U10.7
IAT_SENSE+: IAT_C1.2 IAT_R1.1 IAT_R2.1 SP1.11 U15.15
IAT_SENSE-: IAT_SENSE1.6 U15.55
IDLE-OUT: U15.80 U26.2 U26.3
IGN1: U3.5 U15.102
IGN2: U3.7 U15.104
IGN3: U7.7 U15.112
IGN4: U7.5 U15.103
IGN5: U4.5 U15.109
IGN6: U4.7 U15.100
IGN7: U8.7 U15.106
IGN8: U8.5 U15.98
IGN9: U15.90 U17.5
IGN10: U15.91 U17.7
IGN11: U15.84 U22.7
IGN12: U15.85 U22.5
INJ1: U5.17 U15.95
INJ2: U5.16 U15.94
INJ3: U5.1 U15.105
INJ4: U5.32 U15.113
INJ5: U6.17 U15.111
INJ6: U6.16 U15.110
INJ7: U6.1 U15.108
INJ8: U6.32 U15.107
INJ9: U15.99 U18.17
INJ10: U15.92 U18.16
INJ11: U18.1
INJ12: U15.83 U18.32
KNOCK1_SENSE+: KNOCK1_C1.2 KNOCK1_R1.1 KNOCK1_R2.1 SP2.1 U15.39
KNOCK1_SENSE-: KNOCK1_SENSE1.6 U15.42
KNOCK2_SENSE+: KNOCK2_C1.2 KNOCK2_R1.1 KNOCK2_R2.1 SP2.2 U15.20
KNOCK2_SENSE-: KNOCK2_SENSE1.6 U15.23
KTS_INT: ESP32S1.15 KTS1.30
KTS_RST: ESP32S1.14 KTS1.29
LED_B_KTS10: KTS1.11 LED2.2
LED_G_KTS15: KTS1.15 LED2.1
LED_R_KTS16: KTS1.16 RGB_R1.1
LPG-TANK_VALVE: U15.61 U32.2 U32.3
LPG_FUEL_SENSE+: FUEL_LPG_C1.2 FUEL_LPG_R1.1 FUEL_LPG_R2.1 SP2.15 U15.19
LPG_FUEL_SENSE-: U2.6 U15.22
LSU_HEAT2-: CJQ2.3 CJR22.2 U15.25
